# Altium PCB PCB_v2.PcbDoc (part 3 of 8) (continued)
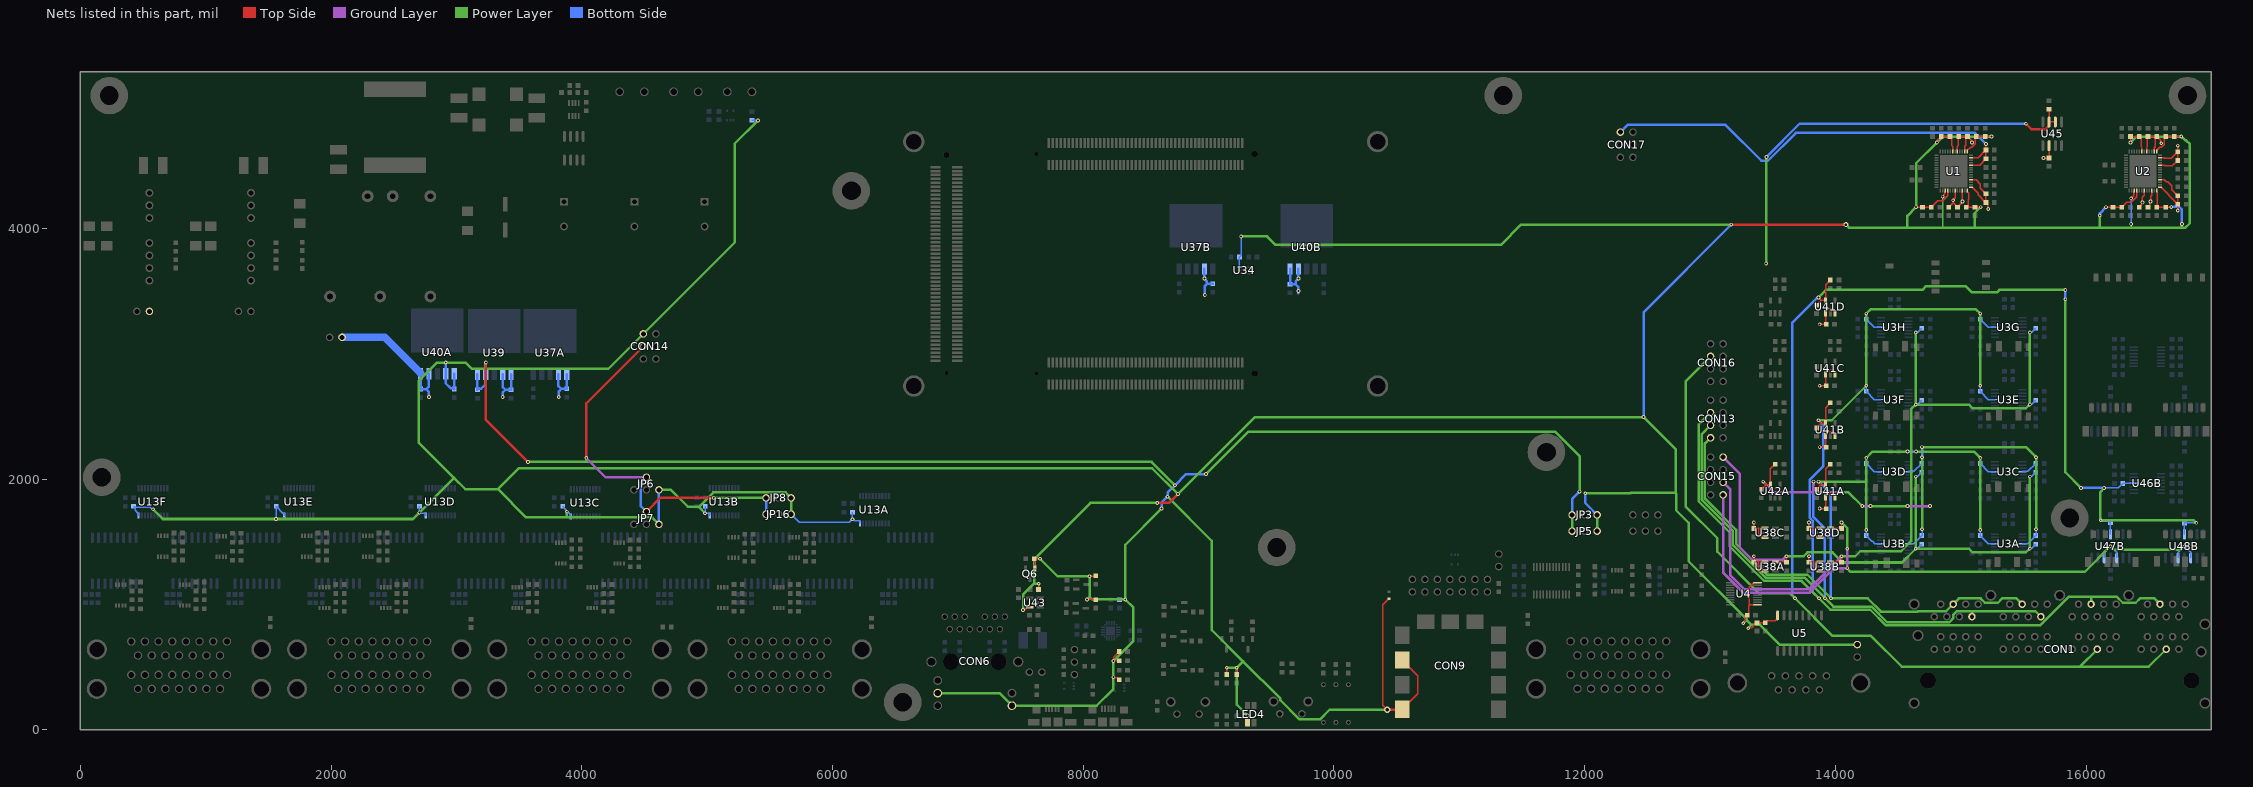
[diagram p5: the nets of this part, all layers, seen from the top]
## Part data (continued)
R40A R40B R40C R40D: Case/Package=0603, Case Code (Metric)=1608, Manufacturer=Yageo, Manufacturer Part Number=RC0603FR-0716KL, Max Operating Temperature=155°C, Min Operating Temperature=-55°C, Power Rating=100mW, Resistance=16k, Supplier Part Number 1=311-16.0KHRDKR-ND, Temperature Coefficient=100ppm/°C, Tolerance=1%, Voltage Rating=50V, Working Voltage=75V, Case Code (Imperial)=0603, ComponentLink1Description=https://datasheet.ciiva.com/28680/1678782-28680759.pdf, ComponentLink1URL=https://datasheet.ciiva.com/28680/1678782-28680759.pdf, ComponentLink2Description=https://datasheet.ciiva.com/16779/70260748-16779769.pdf, ComponentLink2URL=https://datasheet.ciiva.com/16779/70260748-16779769.pdf, ComponentLink3Description=https://datasheet.ciiva.com/30226/aoa0000ce2-30226189.pdf, ComponentLink3URL=https://datasheet.ciiva.com/30226/aoa0000ce2-30226189.pdf, ComponentLink4Description=https://datasheet.ciiva.com/5875/426256-5875646.pdf, ComponentLink4URL=https://datasheet.ciiva.com/5875/426256-5875646.pdf, ComponentLink5Description=https://datasheet.ciiva.com/28515/1678782-28515247.pdf, ComponentLink5URL=https://datasheet.ciiva.com/28515/1678782-28515247.pdf, ComponentLink6Description=https://datasheet.ciiva.com/46378/426256-46378047.pdf, ComponentLink6URL=https://datasheet.ciiva.com/46378/426256-46378047.pdf, ComponentLink7Description=https://datasheet.ciiva.com/11819/0900766b80f96399-11819239.pdf, ComponentLink7URL=https://datasheet.ciiva.com/11819/0900766b80f96399-11819239.pdf, Composition="Thick Film", Depth=0.8mm, Height=0.45mm, Lead Free="Lead Free", Length=1.6mm, Military Standard=Not, Mount="Surface Mount", Number of Terminations=2, Packaging="Tape and Reel", Pricing 1="1=0.1, 10=0.026, 100=0.0107, 1000=0.00478, 2500=0.00415 (USD)", Stock 1=244689, Supplier 1=Digi-Key, Termination=SMD/SMT, Voltage Rating (DC)=50V, Width=0.8mm
R41A R41B R41C R41D: Case/Package=0603, Case Code (Metric)=1608, Manufacturer=Yageo, Manufacturer Part Number=RC0603FR-07180KL, Max Operating Temperature=155°C, Max Power Dissipation=100mW, Min Operating Temperature=-55°C, Package Quantity=1, Resistance=180k, Supplier Part Number 1=311-180KHRDKR-ND, Temperature Coefficient=100ppm/°C, Tolerance=1%, Voltage Rating=50V, Working Voltage=75V, Case Code (Imperial)=0603, ComponentLink1Description=https://datasheet.ciiva.com/22739/426256-22739797.pdf, ComponentLink1URL=https://datasheet.ciiva.com/22739/426256-22739797.pdf, ComponentLink2Description=https://datasheet.ciiva.com/24162/aoa0000ce2-24162661.pdf, ComponentLink2URL=https://datasheet.ciiva.com/24162/aoa0000ce2-24162661.pdf, ComponentLink3Description=https://datasheet.ciiva.com/30137/aoa0000ce2-30137813.pdf, ComponentLink3URL=https://datasheet.ciiva.com/30137/aoa0000ce2-30137813.pdf, ComponentLink4Description=https://datasheet.ciiva.com/46436/1678782-46436790.pdf, ComponentLink4URL=https://datasheet.ciiva.com/46436/1678782-46436790.pdf, ComponentLink5Description=https://datasheet.ciiva.com/46436/1678782-46436791.pdf, ComponentLink5URL=https://datasheet.ciiva.com/46436/1678782-46436791.pdf, ComponentLink6Description=https://datasheet.ciiva.com/16782/70260748-16782408.pdf, ComponentLink6URL=https://datasheet.ciiva.com/16782/70260748-16782408.pdf, ComponentLink7Description=https://datasheet.ciiva.com/17207/aoa0000ce2-17207208.pdf, ComponentLink7URL=https://datasheet.ciiva.com/17207/aoa0000ce2-17207208.pdf, ComponentLink8Description=https://datasheet.ciiva.com/28568/1678782-28568699.pdf, ComponentLink8URL=https://datasheet.ciiva.com/28568/1678782-28568699.pdf, ComponentLink9Description=https://datasheet.ciiva.com/5915/aoa0000ce2-5915294.pdf, ComponentLink9URL=https://datasheet.ciiva.com/5915/aoa0000ce2-5915294.pdf, ComponentLink10Description=https://datasheet.ciiva.com/9184/aoa0000ce2-9184911.pdf, ComponentLink10URL=https://datasheet.ciiva.com/9184/aoa0000ce2-9184911.pdf, ComponentLink11Description=https://datasheet.ciiva.com/5561/rc0603-272842-5561848.pdf, ComponentLink11URL=https://datasheet.ciiva.com/5561/rc0603-272842-5561848.pdf, ComponentLink12Description=https://datasheet.ciiva.com/7746/443971-7746264.pdf, ComponentLink12URL=https://datasheet.ciiva.com/7746/443971-7746264.pdf, ComponentLink13Description=https://datasheet.ciiva.com/7746/443971-7746265.pdf, ComponentLink13URL=https://datasheet.ciiva.com/7746/443971-7746265.pdf, ComponentLink14Description=https://datasheet.ciiva.com/11819/0900766b80f96399-11819273.pdf, ComponentLink14URL=https://datasheet.ciiva.com/11819/0900766b80f96399-11819273.pdf, ComponentLink15Description=https://datasheet.ciiva.com/2508/pyu-r-int-thick-7-2508491.pdf, ComponentLink15URL=https://datasheet.ciiva.com/2508/pyu-r-int-thick-7-2508491.pdf, ComponentLink16Description=https://datasheet.ciiva.com/2508/pyu-r-int-thick-7-2508492.pdf, ComponentLink16URL=https://datasheet.ciiva.com/2508/pyu-r-int-thick-7-2508492.pdf, ComponentLink17Description=https://datasheet.ciiva.com/2508/pyu-r-int-thick-7-2508493.pdf, ComponentLink17URL=https://datasheet.ciiva.com/2508/pyu-r-int-thick-7-2508493.pdf, Composition="Thick Film", Depth=0.8mm, Features="Moisture Resistant", Height=0.45mm, Lead Free="Lead Free", Length=1.6mm, Military Standard=Not, Number of Pins=2, Number of Terminations=2, Packaging="Tape and Reel", Power Rating=100mW, Pricing 1="1=0.1, 10=0.026, 100=0.0107, 1000=0.00478, 2500=0.00415 (USD)", REACH SVHC=Unknown, Stock 1=45010, Supplier 1=Digi-Key, Termination=SMD/SMT, Voltage Rating (DC)=50V, Width=0.8mm
R42: Case/Package=0603, Case Code (Metric)=1608, Manufacturer=Panasonic, Manufacturer Part Number=ERJ-3EKF1001V, Max Operating Temperature=155°C, Max Power Dissipation=100mW, Min Operating Temperature=-55°C, Package Quantity=1, Resistance=1kR, Supplier Part Number 1=P1.00KHDKR-ND, Temperature Coefficient=100ppm/°C, Tolerance=1%, Voltage Rating=75V, Case Code (Imperial)=0603, ComponentLink1Description=https://datasheet.ciiva.com/16768/70260748-16768437.pdf, ComponentLink1URL=https://datasheet.ciiva.com/16768/70260748-16768437.pdf, ComponentLink2Description=https://datasheet.ciiva.com/16774/70260748-16774550.pdf, ComponentLink2URL=https://datasheet.ciiva.com/16774/70260748-16774550.pdf, ComponentLink3Description=https://datasheet.ciiva.com/28532/426256-28532120.pdf, ComponentLink3URL=https://datasheet.ciiva.com/28532/426256-28532120.pdf, ComponentLink4Description=https://datasheet.ciiva.com/16449/aoa0000ce2-16449065.pdf, ComponentLink4URL=https://datasheet.ciiva.com/16449/aoa0000ce2-16449065.pdf, ComponentLink5Description=https://datasheet.ciiva.com/7942/aoa0000ce2-7942427.pdf, ComponentLink5URL=https://datasheet.ciiva.com/7942/aoa0000ce2-7942427.pdf, ComponentLink6Description=https://datasheet.ciiva.com/9198/aoa0000ce2-9198923.pdf, ComponentLink6URL=https://datasheet.ciiva.com/9198/aoa0000ce2-9198923.pdf, ComponentLink7Description=https://datasheet.ciiva.com/46373/1678782-46373339.pdf, ComponentLink7URL=https://datasheet.ciiva.com/46373/1678782-46373339.pdf, ComponentLink8Description=https://datasheet.ciiva.com/48530/aoa0000ce2-48530987.pdf, ComponentLink8URL=https://datasheet.ciiva.com/48530/aoa0000ce2-48530987.pdf, ComponentLink9Description=https://datasheet.ciiva.com/46373/1678782-46373340.pdf, ComponentLink9URL=https://datasheet.ciiva.com/46373/1678782-46373340.pdf, ComponentLink10Description=https://datasheet.ciiva.com/24070/aoa0000ce2-24070269.pdf, ComponentLink10URL=https://datasheet.ciiva.com/24070/aoa0000ce2-24070269.pdf, ComponentLink11Description=https://datasheet.ciiva.com/22673/1678782-22673918.pdf, ComponentLink11URL=https://datasheet.ciiva.com/22673/1678782-22673918.pdf, ComponentLink12Description=https://datasheet.ciiva.com/30063/aoa0000ce2-30063390.pdf, ComponentLink12URL=https://datasheet.ciiva.com/30063/aoa0000ce2-30063390.pdf, ComponentLink13Description=https://datasheet.ciiva.com/17215/aoa0000ce2-17215311.pdf, ComponentLink13URL=https://datasheet.ciiva.com/17215/aoa0000ce2-17215311.pdf, ComponentLink14Description=https://datasheet.ciiva.com/2469/esr-2469603.pdf, ComponentLink14URL=https://datasheet.ciiva.com/2469/esr-2469603.pdf, ComponentLink15Description=https://datasheet.ciiva.com/2469/esr-2469604.pdf, ComponentLink15URL=https://datasheet.ciiva.com/2469/esr-2469604.pdf, ComponentLink16Description=https://datasheet.ciiva.com/2469/esr-2469605.pdf, ComponentLink16URL=https://datasheet.ciiva.com/2469/esr-2469605.pdf, Composition="Thick Film", Contact Plating=Tin, Depth=0.8mm, Features="Automotive AEC-Q200", Height=0.45mm, Lead Free="Lead Free", Length=1.6mm, Military Standard=Not, Mount="Surface Mount", Number of Pins=2, Number of Terminations=2, Packaging="Tape and Reel", Power Rating=100mW, Pricing 1="1=0.1, 10=0.079, 100=0.0323, 1000=0.01449, 2500=0.01258 (USD)", Pricing 2="1=0.1, 10=0.087, 100=0.0333, 1000=0.01464, 2500=0.01264 (USD)", Radiation Hardening=No, REACH SVHC="No SVHC", Stock 1=16555559, Stock 2=326754, Supplier 1=Digi-Key, Supplier 2=Digi-Key, Supplier Part Number 2=RHM1.0KDDKR-ND, Termination=SMD/SMT, Voltage Rating (DC)=75V, Width=0.031inch
R49: Case/Package=0603, Case Code (Metric)=1608, Manufacturer=Yageo, Manufacturer Part Number=AC0603FR-07240RL, Max Operating Temperature=155°C, Max Power Dissipation=100mW, Min Operating Temperature=-55°C, Resistance=240, Supplier Part Number 1=YAG3582DKR-ND, Temperature Coefficient=100ppm/°C, Tolerance=1%, Voltage Rating=50V, Case Code (Imperial)=0603, ComponentLink1Description=https://datasheet.ciiva.com/17206/aoa0000ce1-17206709.pdf, ComponentLink1URL=https://datasheet.ciiva.com/17206/aoa0000ce1-17206709.pdf, ComponentLink2Description=https://datasheet.ciiva.com/28577/1678796-28577765.pdf, ComponentLink2URL=https://datasheet.ciiva.com/28577/1678796-28577765.pdf, ComponentLink3Description=https://datasheet.ciiva.com/24026/aoa0000ce1-37422-24026440.pdf, ComponentLink3URL=https://datasheet.ciiva.com/24026/aoa0000ce1-37422-24026440.pdf, ComponentLink4Description=https://datasheet.ciiva.com/46390/1500035-46390120.pdf, ComponentLink4URL=https://datasheet.ciiva.com/46390/1500035-46390120.pdf, ComponentLink5Description=https://datasheet.ciiva.com/16516/aoa0000ce1-16516233.pdf, ComponentLink5URL=https://datasheet.ciiva.com/16516/aoa0000ce1-16516233.pdf, ComponentLink6Description=https://datasheet.ciiva.com/16763/70255313-16763561.pdf, ComponentLink6URL=https://datasheet.ciiva.com/16763/70255313-16763561.pdf, ComponentLink7Description=https://datasheet.ciiva.com/46378/1500035-46378041.pdf, ComponentLink7URL=https://datasheet.ciiva.com/46378/1500035-46378041.pdf, ComponentLink8Description=https://datasheet.ciiva.com/11821/0900766b80f806dd-11821419.pdf, ComponentLink8URL=https://datasheet.ciiva.com/11821/0900766b80f806dd-11821419.pdf, ComponentLink9Description=https://datasheet.ciiva.com/28675/1678796-28675819.pdf, ComponentLink9URL=https://datasheet.ciiva.com/28675/1678796-28675819.pdf, ComponentLink10Description=https://datasheet.ciiva.com/43460/1500035-43460699.pdf, ComponentLink10URL=https://datasheet.ciiva.com/43460/1500035-43460699.pdf, ComponentLink11Description=https://datasheet.ciiva.com/16758/70255313-16758910.pdf, ComponentLink11URL=https://datasheet.ciiva.com/16758/70255313-16758910.pdf, ComponentLink12Description=http://www.mouser.com/ds/2/447/yageodocoutput-1111992.pdf, ComponentLink12URL=http://www.mouser.com/ds/2/447/yageodocoutput-1111992.pdf, ComponentLink13Description=http://www.yageo.com/NewPortal/yageodocoutput?fileName=/pdf/R-Chip/PYu-AC_51_RoHS_L_6.pdf, ComponentLink13URL=http://www.yageo.com/NewPortal/yageodocoutput?fileName=/pdf/R-Chip/PYu-AC_51_RoHS_L_6.pdf, Composition="Thick Film", Height=0.022inch, Length=0.063inch, Number of Terminations=2, Packaging="Tape and Reel", Power Rating=100mW, Pricing 1="1=0.1, 10=0.032, 100=0.0129, 1000=0.00579, 2500=0.00502 (USD)", Stock 1=2417, Supplier 1=Digi-Key, Termination=SMD/SMT, Width=0.8mm
R54 R55: Case/Package=0603, Case Code (Metric)=1608, Manufacturer=Yageo, Manufacturer Part Number=RC0603FR-07330RL, Max Operating Temperature=155°C, Max Power Dissipation=100mW, Min Operating Temperature=-55°C, Package Quantity=1, Resistance=330R, Supplier Part Number 1=311-330HRDKR-ND, Temperature Coefficient=100ppm/°C, Tolerance=1%, Voltage Rating=50V, Case Code (Imperial)=0603, ComponentLink1Description=https://datasheet.ciiva.com/2454/pyu-r-int-thick-7-2454864.pdf, ComponentLink1URL=https://datasheet.ciiva.com/2454/pyu-r-int-thick-7-2454864.pdf, ComponentLink2Description=https://datasheet.ciiva.com/2454/pyu-r-int-thick-7-2454865.pdf, ComponentLink2URL=https://datasheet.ciiva.com/2454/pyu-r-int-thick-7-2454865.pdf, ComponentLink3Description=https://datasheet.ciiva.com/2454/pyu-r-int-thick-7-2454866.pdf, ComponentLink3URL=https://datasheet.ciiva.com/2454/pyu-r-int-thick-7-2454866.pdf, ComponentLink4Description=https://datasheet.ciiva.com/12555/rc0603-272842-12555334.pdf, ComponentLink4URL=https://datasheet.ciiva.com/12555/rc0603-272842-12555334.pdf, ComponentLink5Description=https://datasheet.ciiva.com/46440/1868787-46440904.pdf, ComponentLink5URL=https://datasheet.ciiva.com/46440/1868787-46440904.pdf, ComponentLink6Description=https://datasheet.ciiva.com/7746/443971-7746329.pdf, ComponentLink6URL=https://datasheet.ciiva.com/7746/443971-7746329.pdf, ComponentLink7Description=https://datasheet.ciiva.com/7746/443971-7746330.pdf, ComponentLink7URL=https://datasheet.ciiva.com/7746/443971-7746330.pdf, ComponentLink8Description=https://datasheet.ciiva.com/7746/1686128-7746331.pdf, ComponentLink8URL=https://datasheet.ciiva.com/7746/1686128-7746331.pdf, ComponentLink9Description=https://datasheet.ciiva.com/11819/0900766b80f96399-11819327.pdf, ComponentLink9URL=https://datasheet.ciiva.com/11819/0900766b80f96399-11819327.pdf, Composition="Thick Film", Depth=0.8mm, Features="Moisture Resistant", Height=0.45mm, Lead Free="Lead Free", Length=1.6mm, Number of Pins=2, Number of Terminations=2, Packaging="Tape and Reel", Power Rating=100mW, Pricing 1="1=0.1, 10=0.026, 100=0.0107, 1000=0.00478, 2500=0.00415 (USD)", REACH SVHC="No SVHC", Stock 1=245569, Supplier 1=Digi-Key, Termination=SMD/SMT, Voltage Rating (DC)=50V, Width=0.8mm
R56: Case/Package=0603, Case Code (Metric)=1608, Manufacturer=Panasonic, Manufacturer Part Number=ERA-3AEB512V, Max Operating Temperature=155°C, Max Power Dissipation=100mW, Min Operating Temperature=-55°C, Package Quantity=5000, Resistance=5.1kR, Supplier Part Number 1=P5.1KDBDKR-ND, Temperature Coefficient=25ppm/°C, Tolerance=0.1%, Voltage Rating=75V, Case Code (Imperial)=0603, ComponentLink1Description=https://datasheet.ciiva.com/5860/485442-5860519.pdf, ComponentLink1URL=https://datasheet.ciiva.com/5860/485442-5860519.pdf, ComponentLink2Description=https://datasheet.ciiva.com/5860/485442-5860520.pdf, ComponentLink2URL=https://datasheet.ciiva.com/5860/485442-5860520.pdf, ComponentLink3Description=https://datasheet.ciiva.com/24025/aoa0000ce26-197354-24025560.pdf, ComponentLink3URL=https://datasheet.ciiva.com/24025/aoa0000ce26-197354-24025560.pdf, ComponentLink4Description=https://datasheet.ciiva.com/16395/aoa0000ce26-16395262.pdf, ComponentLink4URL=https://datasheet.ciiva.com/16395/aoa0000ce26-16395262.pdf, ComponentLink5Description=https://datasheet.ciiva.com/16770/70068849-16770062.pdf, ComponentLink5URL=https://datasheet.ciiva.com/16770/70068849-16770062.pdf, ComponentLink6Description=https://datasheet.ciiva.com/29183/451140-da-01-en-widerstand-0603-era-29183792.pdf, ComponentLink6URL=https://datasheet.ciiva.com/29183/451140-da-01-en-widerstand-0603-era-29183792.pdf, Composition="Thin Film", Contact Plating=Tin, Depth=0.8mm, Height=0.022inch, Lead Free="Lead Free", Length=1.6mm, Military Standard=Not, Mount="Surface Mount", Number of Pins=2, Number of Terminations=2, Packaging="Tape and Reel", Power Rating=100mW, Pricing 1="1=0.41, 10=0.346, 100=0.1351, 1000=0.05655, 2500=0.05184 (USD)", Radiation Hardening=No, REACH SVHC="No SVHC", Stock 1=109513, Supplier 1=Digi-Key, Termination=Solder, Voltage Rating (DC)=75V, Width=0.031inch
SOM1: library part PicoZed_SOM, "PicoZed SOM Carrier Footprint"
SW1 SW3: "SWITCH TACTILE SPST-NO 0.05A 24V", Contact Current Rating=50mA, Contact Resistance=100mR, Manufacturer="TE Connectivity", Max Operating Temperature=85°C, Max Voltage Rating (DC)=24V, Min Operating Temperature=-35°C, Operating Force=1.57N, Package Quantity=1000, Supplier Part Number 1=450-1662-ND, Actuator Length=1.24mm, Actuator Material=PBT, ComponentLink1Description=https://datasheet.ciiva.com/45260/fsmseries-45260044.pdf, ComponentLink1URL=https://datasheet.ciiva.com/45260/fsmseries-45260044.pdf, ComponentLink2Description=https://datasheet.ciiva.com/30166/1825027-5rqpn1825027-5-30166445.pdf, ComponentLink2URL=https://datasheet.ciiva.com/30166/1825027-5rqpn1825027-5-30166445.pdf, Contact Material="Copper Alloy", Contact Plating=Silver, Current Rating=50mA, Depth=7.87mm, Electrical Life=100000Cycles, ELV=Compliant, Height=7mm, Housing Material=Nylon, Illumination Type=Non-Illuminated, Lead Free="Lead Free", Length=7.11mm, Manufacturer Part Number=1825027-5, Material=Nylon, Max Current Rating=50mA, Mechanical Life=100000Cycles, Mount="Through Hole", Orientation="Right Angle", Packaging="Loose Piece", Pricing 1="1=0.17, 10=0.169, 25=0.1628, 50=0.157, 100=0.1482, 250=0.13952, 500=0.1337, 1000=0.10173, 5000=0.08429 (USD)", Supplier 1=Digi-Key, Switch Function=Off-Mom, Switch Travel=0.25mm, Termination="PC Pins", Throw Configuration=SPST, Type=Switch, Voltage Rating (DC)=24V, Width=6mm
  SW1: Stock 1=19785
  SW3: Stock 1=19495
SW2: "SWITCH PIANO DIP SPST 50MA 24V", Current Rating=50mA, Manufacturer=CTS, Max Operating Temperature=85°C, Max Voltage Rating (DC)=24V, Min Operating Temperature=-40°C, Package Quantity=55, Supplier Part Number 1=CT1943MST-ND, Voltage Rating (AC)=500V, Body Material=Plastic, ComponentLink1Description=https://datasheet.ciiva.com/29891/194-195-29891192.pdf, ComponentLink1URL=https://datasheet.ciiva.com/29891/194-195-29891192.pdf, ComponentLink2Description=https://datasheet.ciiva.com/5258/194-195-152-5258121.pdf, ComponentLink2URL=https://datasheet.ciiva.com/5258/194-195-152-5258121.pdf, ComponentLink3Description=https://datasheet.ciiva.com/2864/194-195-2864191.pdf, ComponentLink3URL=https://datasheet.ciiva.com/2864/194-195-2864191.pdf, Contact Material="Copper Alloy", Contact Plating=Tin,Gold, Electrical Life=7000Cycles, Lead Free="Contains Lead", Length=0.386inch, Manufacturer Part Number=194-3MST, Max Current Rating=50mA, Mechanical Life=7000Cycles, Mount="Through Hole", Number of Positions=3, Orientation=Straight, Packaging=Rail/Tube, Pitch=0.1inch, Pricing 1="1=1.07, 10=1.046, 25=0.9852, 50=0.925, 100=0.8847, 250=0.84452, 500=0.76408, 1000=0.70376, 5000=0.57306 (USD)", Stock 1=278, Supplier 1=Digi-Key, Terminal Pitch=2.54mm, Termination="PC Pins", Throw Configuration=SPST, Voltage Rating (DC)=24V, Washable=Yes
TP1A TP1B TP2A TP2B TP3A TP3B TP4A TP4B TP5A TP5B TP6A TP6B TP7A TP7B TP8A TP8B TP9A TP9B TP10A TP10B TP11A TP11B TP12A TP12B TP13A TP13B TP13C TP13D TP13E TP13F TP13G TP13H TP15A TP15B TP15C TP15D TP15E TP15F TP15G TP15H TP17A TP17B TP17C TP17D TP17E TP17F TP17G TP17H: Color=Natural, Supplier Part Number 1=A106145CT-ND, Category="Test and Measurement", ComponentLink1Description=http://www.te.com/commerce/DocumentDelivery/DDEController?Action=srchrtrv&DocNm=1773266&DocType=DS&DocLang=English, ComponentLink1URL=http://www.te.com/commerce/DocumentDelivery/DDEController?Action=srchrtrv&DocNm=1773266&DocType=DS&DocLang=English, Material - Body=-, Material - Insulation="No Insulation", Mounting Type="Surface Mount", Packaging="Cut Tape (CT)", Part Status=Active, Plating=-, Pricing 1="1=0.22, 10=0.206, 25=0.1756, 50=0.1536, 100=0.1426, 250=0.12616, 500=0.12068, 1000=0.09874 (USD)", RoHS="RoHS Compliant", Size / Dimension="0.063\" x 0.031\" x 0.045\" (1.60mm x 0.80mm x 1.15mm)", Stock 1=136646, Supplier 1=Digi-Key, Type="PC Test Point"
U1 U2: "IC ADC 14BIT 1.5MSPS SAR 52QFN - 14 Bit Analog to Digital Converter 8 Input 4 SAR 52-QFN (7x8)", Manufacturer="Analog Devices / Linear Technology", Manufacturer Part Number=LTC2320CUKG-14#PBF, Supplier Part Number 1=LTC2320CUKG-14#PBF-ND, ComponentLink1Description=http://www.linear.com/docs/57507, ComponentLink1URL=http://www.linear.com/docs/57507, Pricing 1="1=23.54, 25=19.676, 100=16.7179 (USD)", Stock 1=40, Supplier 1=Digi-Key
U3 U14: "Recom RS6", Manufacturer=Recom, Manufacturer Part Number=RS6-2415S, Max Output Voltage=16.5V, Supplier Part Number 1=945-2987-ND, Height=11.1mm, Lead Free="Lead Free", Length=21.8mm, Pricing 1="1=14.62, 5=14.508, 10=14.398, 25=14.176, 50=13.733, 100=12.404, 250=12.18252, 500=11.961 (USD)", Stock 1=253, Supplier 1=Digi-Key, Weight=4g, Width=9.2mm
U3A U3B U3C U3D U3E U3F U3G U3H: Supplier Part Number 1=ADA4522-4ARZ-ND, Supplier 1=Digi-Key
U4 U13A U13B U13C U13D U13E U13F: "IC XLATOR 8CH 1.2-5.5V 20TSSOP", Case/Package=TSSOP, High Level Output Current=-20uA, Low Level Output Current=20uA, Manufacturer="Analog Devices", Manufacturer Part Number=ADG3308BRUZ, Max Operating Temperature=85°C, Max Supply Voltage=5.5V, Min Operating Temperature=-40°C, Min Supply Voltage=1.15V, Operating Supply Current=1uA, Package Quantity=75, Quiescent Current=270nA, Supplier Part Number 1=ADG3308BRUZ-ND, Channel Type=Bidirectional, ComponentLink1Description=https://datasheet.ciiva.com/1899/adg3308-3308-1-1899229.pdf, ComponentLink1URL=https://datasheet.ciiva.com/1899/adg3308-3308-1-1899229.pdf, ComponentLink2Description=https://datasheet.ciiva.com/3305/adg3308-3308-1-3305886.pdf, ComponentLink2URL=https://datasheet.ciiva.com/3305/adg3308-3308-1-3305886.pdf, ComponentLink3Description=https://datasheet.ciiva.com/15096/getdatasheetpartid-119355-15096174.pdf, ComponentLink3URL=https://datasheet.ciiva.com/15096/getdatasheetpartid-119355-15096174.pdf, ComponentLink4Description=https://datasheet.ciiva.com/26867/adg3308bruz-26867870.pdf, ComponentLink4URL=https://datasheet.ciiva.com/26867/adg3308bruz-26867870.pdf, Contact Plating=Tin,Matte, Data Rate=60Mbps, Height=1.05mm, Lead Free="Contains Lead", Length=6.5mm, Logic Function=Translator, Number of Channels=8, Number of Circuits=1, Number of Inputs=8, Number of Pins=20, Packaging=Rail/Tube, Pricing 1="1=4.69, 75=3.98253, 150=3.45153, 525=2.93821, 1050=2.478 (USD)", Propagation Delay=35ns, Radiation Hardening=No, REACH SVHC="No SVHC", Rise Time=2ns, Stock 1=442, Supplier 1=Digi-Key, Turn-On Delay Time=12ns, Weight=0.006737oz, Width=4.4mm
U5: "IC RS485/422 RX 32MBPS 16-QSOP", Case/Package=QSOP, Manufacturer=Maxim, Manufacturer Part Number=MAX3097ECEE+, Max Operating Temperature=70°C, Max Power Dissipation=667mW, Max Supply Voltage=5.5V, Min Operating Temperature=0°C, Min Supply Voltage=3V, Operating Supply Current=4mA, Package Quantity=100, Supplier Part Number 1=MAX3097ECEE+-ND, ComponentLink1Description=https://datasheet.ciiva.com/3029/max3097e-max3098e-3029481.pdf, ComponentLink1URL=https://datasheet.ciiva.com/3029/max3097e-max3098e-3029481.pdf, ComponentLink2Description=https://datasheet.ciiva.com/16640/max3097e-max3098e-16640873.pdf, ComponentLink2URL=https://datasheet.ciiva.com/16640/max3097e-max3098e-16640873.pdf, ComponentLink3Description=https://datasheet.ciiva.com/4785/max3097e-max3098e-99280-4785868.pdf, ComponentLink3URL=https://datasheet.ciiva.com/4785/max3097e-max3098e-99280-4785868.pdf, ComponentLink4Description=https://datasheet.ciiva.com/1767/max3097e-max3098e-1767165.pdf, ComponentLink4URL=https://datasheet.ciiva.com/1767/max3097e-max3098e-1767165.pdf, Data Rate=32Mbps, Height=1.651mm, Interface=RS-422,RS-485, Lead Free="Lead Free", Length=4.98mm, Logic Function=Receiver, Mount="Surface Mount", Number of Pins=16, Number of Receivers=3, Packaging=Rail/Tube, Pricing 1="1=6.48, 10=6.156, 25=5.7516, 50=5.661 (USD)", Radiation Hardening=No, REACH SVHC=Unknown, Stock 1=1298, Supplier 1=Digi-Key, Weight=0.010159oz, Width=3.99mm
U6 U9: "IC BUS TRANSCVR 8BIT 24TSSOP", Case/Package=TSSOP, High Level Output Current=-32mA, Low Level Output Current=32mA, Manufacturer="Texas Instruments", Max Operating Temperature=85°C, Max Supply Voltage=5.5V, Min Operating Temperature=-40°C, Min Supply Voltage=1.65V, Operating Supply Voltage=3.3V, Package Quantity=1, Quiescent Current=15uA, Supplier Part Number 1=296-18593-6-ND, ComponentLink1Description=https://datasheet.ciiva.com/1899/sn74lvc8t245-1899395.pdf, ComponentLink1URL=https://datasheet.ciiva.com/1899/sn74lvc8t245-1899395.pdf, ComponentLink2Description=https://datasheet.ciiva.com/34301/1048559-34301923.pdf, ComponentLink2URL=https://datasheet.ciiva.com/34301/1048559-34301923.pdf, ComponentLink3Description=https://datasheet.ciiva.com/1899/sn74lvc8t245-1899396.pdf, ComponentLink3URL=https://datasheet.ciiva.com/1899/sn74lvc8t245-1899396.pdf, ComponentLink4Description=https://datasheet.ciiva.com/1899/sn74lvc8t245-1899397.pdf, ComponentLink4URL=https://datasheet.ciiva.com/1899/sn74lvc8t245-1899397.pdf, ComponentLink5Description=https://datasheet.ciiva.com/7795/1763937-7795013.pdf, ComponentLink5URL=https://datasheet.ciiva.com/7795/1763937-7795013.pdf, ComponentLink6Description=https://datasheet.ciiva.com/15086/getdatasheetpartid-48801-15086005.pdf, ComponentLink6URL=https://datasheet.ciiva.com/15086/getdatasheetpartid-48801-15086005.pdf, ComponentLink7Description=https://datasheet.ciiva.com/25973/sn74lvc8t245-25973803.pdf, ComponentLink7URL=https://datasheet.ciiva.com/25973/sn74lvc8t245-25973803.pdf, ComponentLink8Description=https://datasheet.ciiva.com/46439/1831204-46439647.pdf, ComponentLink8URL=https://datasheet.ciiva.com/46439/1831204-46439647.pdf, ComponentLink9Description=https://datasheet.ciiva.com/26867/sn74lvc8t245pwr-26867745.pdf, ComponentLink9URL=https://datasheet.ciiva.com/26867/sn74lvc8t245pwr-26867745.pdf, ComponentLink10Description=https://datasheet.ciiva.com/41455/001017232-da-01-en-ic-bus-8bit-sn74lvc8t245pwr-tssop-24-tid-41455868.pdf, ComponentLink10URL=https://datasheet.ciiva.com/41455/001017232-da-01-en-ic-bus-8bit-sn74lvc8t245pwr-tssop-24-tid-41455868.pdf, Contact Plating=Gold, Data Rate=500Mbps, Direction=Bidirectional, Height=1.05mm, Lead Free="Lead Free", Length=7.9mm, Logic Function=Transceiver,Translator, Manufacturer Part Number=SN74LVC8T245PWR, Mount="Surface Mount", Number of Bits=8, Number of Channels=8, Number of Elements=1, Number of Outputs=8, Number of Pins=24, Packaging="Tape and Reel", Polarity=Non-Inverting, Pricing 1="1=1.05, 10=0.936, 100=0.7297, 500=0.60276, 1000=0.47586 (USD)", Propagation Delay=4.2ns, Radiation Hardening=No, REACH SVHC="No SVHC", Stock 1=101165, Supplier 1=Digi-Key, Turn-On Delay Time=32.2ns, Weight=0.003157oz, Width=4.5mm
U7 U8 U10 U11: "IC BUS TRANSCVR 2BIT N-INV SM8", Case/Package=SSOP, High Level Output Current=-32mA, Low Level Output Current=32mA, Manufacturer="Texas Instruments", Max Operating Temperature=85°C, Max Supply Voltage=5.5V, Min Operating Temperature=-40°C, Min Supply Voltage=1.65V, Output Current=50mA, Package Quantity=3000, Quiescent Current=3uA, Supplier Part Number 1=296-16845-6-ND, ComponentLink1Description=https://datasheet.ciiva.com/1899/sn74lvc2t45-1899281.pdf, ComponentLink1URL=https://datasheet.ciiva.com/1899/sn74lvc2t45-1899281.pdf, ComponentLink2Description=https://datasheet.ciiva.com/34301/1046748-34301921.pdf, ComponentLink2URL=https://datasheet.ciiva.com/34301/1046748-34301921.pdf, ComponentLink3Description=https://datasheet.ciiva.com/1899/sn74lvc2t45-1899282.pdf, ComponentLink3URL=https://datasheet.ciiva.com/1899/sn74lvc2t45-1899282.pdf, ComponentLink4Description=https://datasheet.ciiva.com/1899/sn74lvc2t45-1899283.pdf, ComponentLink4URL=https://datasheet.ciiva.com/1899/sn74lvc2t45-1899283.pdf, ComponentLink5Description=https://datasheet.ciiva.com/15086/getdatasheetpartid-190128-15086325.pdf, ComponentLink5URL=https://datasheet.ciiva.com/15086/getdatasheetpartid-190128-15086325.pdf, ComponentLink6Description=https://datasheet.ciiva.com/14300/sn74lvc2t45-14300710.pdf, ComponentLink6URL=https://datasheet.ciiva.com/14300/sn74lvc2t45-14300710.pdf, ComponentLink7Description=https://datasheet.ciiva.com/22653/sn74lvc2t45-22653414.pdf, ComponentLink7URL=https://datasheet.ciiva.com/22653/sn74lvc2t45-22653414.pdf, ComponentLink8Description=https://datasheet.ciiva.com/14300/sn74lvc2t45-14300711.pdf, ComponentLink8URL=https://datasheet.ciiva.com/14300/sn74lvc2t45-14300711.pdf, ComponentLink9Description=https://datasheet.ciiva.com/46395/1882347-46395882.pdf, ComponentLink9URL=https://datasheet.ciiva.com/46395/1882347-46395882.pdf, ComponentLink10Description=https://datasheet.ciiva.com/25971/sn74lvc2t45-25971979.pdf, ComponentLink10URL=https://datasheet.ciiva.com/25971/sn74lvc2t45-25971979.pdf, ComponentLink11Description=https://datasheet.ciiva.com/1508/1863620-1508814.pdf, ComponentLink11URL=https://datasheet.ciiva.com/1508/1863620-1508814.pdf, ComponentLink12Description=https://datasheet.ciiva.com/1628/1862500-1628670.pdf, ComponentLink12URL=https://datasheet.ciiva.com/1628/1862500-1628670.pdf, Contact Plating=Gold, Data Rate=420Mbps, Direction=Bidirectional, Height=2.1mm, Lead Free="Lead Free", Length=2.4mm, Logic Function=Transceiver,Translator, Manufacturer Part Number=SN74LVC2T45DCTR, Number of Bits=2, Number of Channels=2, Number of Elements=1, Number of Inputs=2, Number of Pins=8, Packaging="Tape and Reel", Polarity=Non-Inverting, Pricing 1="1=0.61, 10=0.537, 100=0.4117, 500=0.32548, 1000=0.26038 (USD)", Propagation Delay=45.2ns, Radiation Hardening=No, REACH SVHC="No SVHC", Stock 1=360982, Supplier 1=Digi-Key, Turn-On Delay Time=17.7ns, Weight=0.000825oz, Width=0.8mm
U12A U12B U12C U12D U12E U12F U15A U15B U15C U15D U15E U15F: "IC MOSFET DVR QUAD AND 16SOIC", Case/Package=SOIC, Input Bias Current=10uA, Manufacturer=Microchip, Manufacturer Part Number=TC4468COE, Max Operating Temperature=70°C, Max Output Current=1.2A, Max Power Dissipation=760mW, Max Supply Current=4mA, Max Supply Voltage=18V, Min Operating Temperature=0°C, Min Supply Voltage=4.5V, On-State Resistance=30R, Package Quantity=47, Supplier Part Number 1=TC4468COE-ND, ComponentLink1Description=https://datasheet.ciiva.com/3226/21425b-3226784.pdf, ComponentLink1URL=https://datasheet.ciiva.com/3226/21425b-3226784.pdf, ComponentLink2Description=https://datasheet.ciiva.com/16216/21425c-16216087.pdf, ComponentLink2URL=https://datasheet.ciiva.com/16216/21425c-16216087.pdf, ComponentLink3Description=https://datasheet.ciiva.com/1949/filehandler-aspxddocname-en011589-1949915.pdf, ComponentLink3URL=https://datasheet.ciiva.com/1949/filehandler-aspxddocname-en011589-1949915.pdf, ComponentLink4Description=https://datasheet.ciiva.com/17234/21425b-17234943.pdf, ComponentLink4URL=https://datasheet.ciiva.com/17234/21425b-17234943.pdf, ComponentLink5Description=https://datasheet.ciiva.com/41463/001085639-da-01-en-ic-mosfet-dvr-quad-tc4468coe-soic-16-mcp-41463324.pdf, ComponentLink5URL=https://datasheet.ciiva.com/41463/001085639-da-01-en-ic-mosfet-dvr-quad-tc4468coe-soic-16-mcp-41463324.pdf, ComponentLink6Description=https://datasheet.ciiva.com/26879/tc4468coe-26879294.pdf, ComponentLink6URL=https://datasheet.ciiva.com/26879/tc4468coe-26879294.pdf, Fall Time=25ns, Height=0.094inch, Lead Free="Lead Free", Length=0.412inch, Mount="Surface Mount", Nominal Supply Current=4mA, Number of Drivers=4, Number of Outputs=4, Number of Pins=16, Packaging=Rail/Tube, Power Dissipation=760mW, Pricing 1="1=3.81, 25=3.1724 (USD)", Propagation Delay=75ns, Radiation Hardening=No, REACH SVHC="No SVHC", Rise Time=25ns, Stock 1=1476, Supplier 1=Digi-Key, Turn-On Delay Time=75ns, Width=0.299inch
U16A U16B U16C U16D U16E U16F U16G U16H U16I U16J U16K U16L U16M U16N U16O U16P: "IC BUS TRANSCVR 2BIT N-INV SM8", Case/Package=SSOP, High Level Output Current=-32mA, Low Level Output Current=32mA, Manufacturer="Texas Instruments", Max Operating Temperature=85°C, Max Supply Voltage=5.5V, Min Operating Temperature=-40°C, Min Supply Voltage=1.65V, Output Current=50mA, Package Quantity=3000, Quiescent Current=3uA, Supplier Part Number 1=296-16845-1-ND, ComponentLink1Description=https://datasheet.ciiva.com/1899/sn74lvc2t45-1899281.pdf, ComponentLink1URL=https://datasheet.ciiva.com/1899/sn74lvc2t45-1899281.pdf, ComponentLink2Description=https://datasheet.ciiva.com/34301/1046748-34301921.pdf, ComponentLink2URL=https://datasheet.ciiva.com/34301/1046748-34301921.pdf, ComponentLink3Description=https://datasheet.ciiva.com/1899/sn74lvc2t45-1899282.pdf, ComponentLink3URL=https://datasheet.ciiva.com/1899/sn74lvc2t45-1899282.pdf, ComponentLink4Description=https://datasheet.ciiva.com/1899/sn74lvc2t45-1899283.pdf, ComponentLink4URL=https://datasheet.ciiva.com/1899/sn74lvc2t45-1899283.pdf, ComponentLink5Description=https://datasheet.ciiva.com/15086/getdatasheetpartid-190128-15086325.pdf, ComponentLink5URL=https://datasheet.ciiva.com/15086/getdatasheetpartid-190128-15086325.pdf, ComponentLink6Description=https://datasheet.ciiva.com/14300/sn74lvc2t45-14300710.pdf, ComponentLink6URL=https://datasheet.ciiva.com/14300/sn74lvc2t45-14300710.pdf, ComponentLink7Description=https://datasheet.ciiva.com/22653/sn74lvc2t45-22653414.pdf, ComponentLink7URL=https://datasheet.ciiva.com/22653/sn74lvc2t45-22653414.pdf, ComponentLink8Description=https://datasheet.ciiva.com/14300/sn74lvc2t45-14300711.pdf, ComponentLink8URL=https://datasheet.ciiva.com/14300/sn74lvc2t45-14300711.pdf, ComponentLink9Description=https://datasheet.ciiva.com/46395/1882347-46395882.pdf, ComponentLink9URL=https://datasheet.ciiva.com/46395/1882347-46395882.pdf, ComponentLink10Description=https://datasheet.ciiva.com/25971/sn74lvc2t45-25971979.pdf, ComponentLink10URL=https://datasheet.ciiva.com/25971/sn74lvc2t45-25971979.pdf, ComponentLink11Description=https://datasheet.ciiva.com/1508/1863620-1508814.pdf, ComponentLink11URL=https://datasheet.ciiva.com/1508/1863620-1508814.pdf, ComponentLink12Description=https://datasheet.ciiva.com/1628/1862500-1628670.pdf, ComponentLink12URL=https://datasheet.ciiva.com/1628/1862500-1628670.pdf, Contact Plating=Gold, Data Rate=420Mbps, Direction=Bidirectional, Height=2.1mm, Lead Free="Lead Free", Length=2.4mm, Logic Function=Transceiver,Translator, Manufacturer Part Number=SN74LVC2T45DCTR, Number of Bits=2, Number of Channels=2, Number of Elements=1, Number of Inputs=2, Number of Pins=8, Packaging="Tape and Reel", Polarity=Non-Inverting, Pricing 1="1=0.61, 10=0.537, 100=0.4117, 500=0.32548, 1000=0.26038 (USD)", Propagation Delay=45.2ns, Radiation Hardening=No, REACH SVHC="No SVHC", Stock 1=370497, Supplier 1=Digi-Key, Turn-On Delay Time=17.7ns, Weight=0.000825oz, Width=0.8mm
U17: "DC/DC CONVERTER 15W 5V 3A", Case/Package=Module, Current - Output 1=3A, Isolation Voltage=2.25kV, Manufacturer=GE, Manufacturer Part Number=SHHD003A0A41Z, Max Input Voltage=75V, Max Operating Temperature=85°C, Max Power Dissipation=15W, Min Input Voltage=18V, Min Operating Temperature=-40°C, Output Voltage=5V, Package Quantity=75, Supplier Part Number 1=555-1311-ND, ComponentLink1Description=https://datasheet.ciiva.com/13119/shhd003a0a-13119248.pdf, ComponentLink1URL=https://datasheet.ciiva.com/13119/shhd003a0a-13119248.pdf, ComponentLink2Description=https://datasheet.ciiva.com/6224/shhd003a0a-6224821.pdf, ComponentLink2URL=https://datasheet.ciiva.com/6224/shhd003a0a-6224821.pdf, Depth=24.4mm, Efficiency=87%, Features=UVLO,OVP, Height=0.34inch, Isolation=Isolated, Length=1.1inch, Max Output Current=3A, Mount="Through Hole", Number of Outputs=1, Number of Pins=6, Output Current=3A, Output Power=15W, Packaging=Bulk, Pricing 1="1=18.55, 5=18.404, 10=18.261, 25=17.9756, 50=17.1196, 100=15.6929, 250=15.40756, 500=15.1793 (USD)", Stock 1=1272, Supplier 1=Digi-Key, Voltage - Output 1=5V, Weight=0.282192oz, Width=0.96inch
U18: library part "IC - LTC4365", "Overvoltage, Undervoltage and Reverse Supply Protection Controller", Case/Package=TSOT, Manufacturer="Analog Devices / Linear Technology", Manufacturer Part Number=LTC4365CTS8#TRMPBF, Max Operating Temperature=70°C, Max Supply Voltage=34V, Min Operating Temperature=0°C, Min Supply Voltage=2.5V, Operating Supply Current=125uA, Package Quantity=1, Supplier Part Number 1=LTC4365CTS8#TRMPBFCT-ND, ComponentLink1Description=https://datasheet.ciiva.com/1964/29832-1964768.pdf, ComponentLink1URL=https://datasheet.ciiva.com/1964/29832-1964768.pdf, ComponentLink2Description=https://datasheet.ciiva.com/1964/29832-1964769.pdf, ComponentLink2URL=https://datasheet.ciiva.com/1964/29832-1964769.pdf, ComponentLink3Description=https://datasheet.ciiva.com/1964/29832-1964770.pdf, ComponentLink3URL=https://datasheet.ciiva.com/1964/29832-1964770.pdf, ComponentLink4Description=https://datasheet.ciiva.com/1569/1747530-1569576.pdf, ComponentLink4URL=https://datasheet.ciiva.com/1569/1747530-1569576.pdf, ComponentLink5Description=https://datasheet.ciiva.com/1511/1747530-1511388.pdf, ComponentLink5URL=https://datasheet.ciiva.com/1511/1747530-1511388.pdf, ComponentLink6Description=https://datasheet.ciiva.com/1569/1441932-1569148.pdf, ComponentLink6URL=https://datasheet.ciiva.com/1569/1441932-1569148.pdf, ComponentLink7Description=https://datasheet.ciiva.com/15104/getdatasheetpartid-418104-15104380.pdf, ComponentLink7URL=https://datasheet.ciiva.com/15104/getdatasheetpartid-418104-15104380.pdf, ComponentLink8Description=https://datasheet.ciiva.com/1569/1441932-1569149.pdf, ComponentLink8URL=https://datasheet.ciiva.com/1569/1441932-1569149.pdf, ComponentLink9Description=https://datasheet.ciiva.com/22711/1747530-22711070.pdf, ComponentLink9URL=https://datasheet.ciiva.com/22711/1747530-22711070.pdf, ComponentLink10Description=https://datasheet.ciiva.com/1511/1747530-1511487.pdf, ComponentLink10URL=https://datasheet.ciiva.com/1511/1747530-1511487.pdf, ComponentLink11Description=https://datasheet.ciiva.com/48695/001256088-da-01-en-ic-over-ltc4365cts8-trmpbf-tsot-23-8-ltc-48695786.pdf, ComponentLink11URL=https://datasheet.ciiva.com/48695/001256088-da-01-en-ic-over-ltc4365cts8-trmpbf-tsot-23-8-ltc-48695786.pdf, Length=2.9mm, Number of Pins=8, Output Voltage=34V, Packaging="Tape and Reel", Pricing 1="1=3.76, 25=3.3572, 100=2.2766, 250=2.08692 (USD)", Radiation Hardening=No, REACH SVHC="No SVHC", Supplier 1=Digi-Key
U34: "TXRX XLATING DUAL 3ST 6TSSOP", Supplier Part Number 1=1727-4560-2-ND, Supplier 1=Digi-Key
U37A U37B: "IC REG LINEAR 1.8V 3A 5DDPAK", Case/Package=TO-263-6, Dropout Voltage=340mV, Manufacturer="Analog Devices / Linear Technology", Manufacturer Part Number=LT1764EQ-1.8#PBF, Max Input Voltage=20V, Max Operating Temperature=125°C, Max Output Current=3A, Min Current Limit=3.1A, Min Input Voltage=2.7V, Min Operating Temperature=-40°C, Nominal Output Voltage=1.8V, Package Quantity=50, Quiescent Current=1mA, ComponentLink1Description=https://datasheet.ciiva.com/19462/1740502-19462612.pdf, ComponentLink1URL=https://datasheet.ciiva.com/19462/1740502-19462612.pdf, ComponentLink2Description=https://datasheet.ciiva.com/8041/1576447-8041801.pdf, ComponentLink2URL=https://datasheet.ciiva.com/8041/1576447-8041801.pdf, ComponentLink3Description=https://datasheet.ciiva.com/2052/3538-2052043.pdf, ComponentLink3URL=https://datasheet.ciiva.com/2052/3538-2052043.pdf, ComponentLink4Description=https://datasheet.ciiva.com/26906/lt1764eq-1-8-pbf-26906015.pdf, ComponentLink4URL=https://datasheet.ciiva.com/26906/lt1764eq-1-8-pbf-26906015.pdf, Height=4.57mm, Lead Free="Lead Free", Length=10.54mm, Mount="Surface Mount", Number of Outputs=1, Number of Pins=5, Number of Regulators=1, Output Current=3A, Output Type=Fixed, Output Voltage=1.8V, Packaging=Rail/Tube, Polarity=Positive, Pricing 1="1=7.56, 25=5.192, 100=4.2738 (USD)", REACH SVHC="No SVHC", Stock 1=394, Supplier 1=Digi-Key, Supplier Part Number 1=LT1764EQ-1.8#PBF-ND, Width=9.4mm
U38A U38B U38C U38D: "IC REG LINEAR 2.5V 250MA SOT23", Case/Package=SOT-23, Dropout Voltage=50mV, Manufacturer="Texas Instruments", Max Input Voltage=5.5V, Max Operating Temperature=125°C, Max Output Current=250mA, Min Input Voltage=2.2V, Min Operating Temperature=-40°C, Output Voltage=2.5V, Quiescent Current=25uA, Supplier Part Number 1=296-40356-2-ND, Accuracy=2%, ComponentLink1Description=https://datasheet.ciiva.com/48505/lp5907-48505033.pdf, ComponentLink1URL=https://datasheet.ciiva.com/48505/lp5907-48505033.pdf, Lead Free="Lead Free", Manufacturer Part Number=LP5907MFX-2.5/NOPB, Mount="Surface Mount", Number of Outputs=1, Number of Pins=5, Number of Regulators=1, Output Current=250mA, Packaging="Tape and Reel", Polarity=Positive, Pricing 2="1=0.55, 10=0.475, 100=0.3547, 500=0.27872, 1000=0.21537 (USD)", Radiation Hardening=No, Stock 2=37549, Supplier 1=Digi-Key, Supplier 2=Digi-Key, Supplier Part Number 2=296-40356-6-ND